# KiCad board MB1075.kicad_pcb (continued)
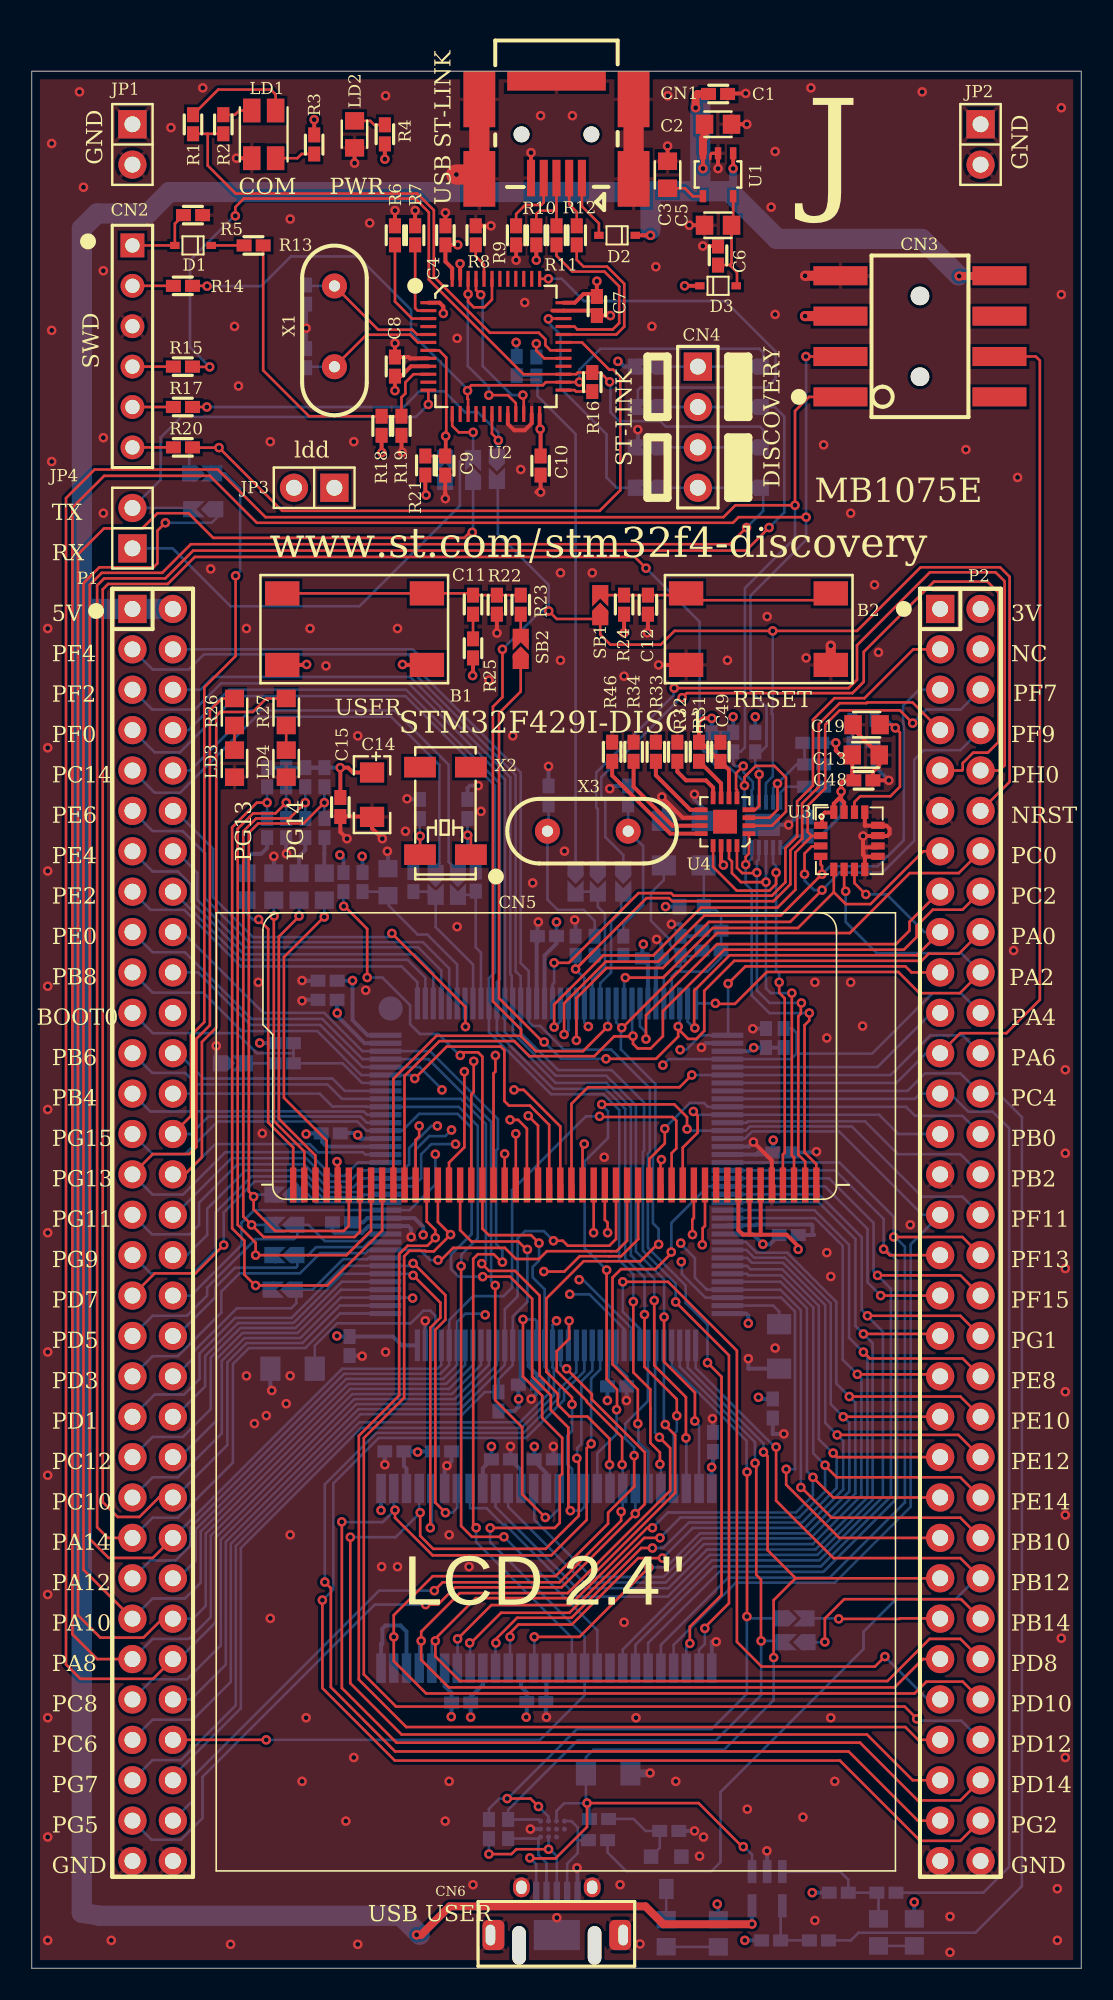
[diagram p0: board, top side]
## Nets (continued)
NetC28_2: C28.2 R52.1 U5.6
NetC41_1: C41.1 U5.71
NetC42_1: C42.1 U5.106
NetC54_1: C54.1 R75.2
NetCN1_2: CN1.2 R12.1
NetCN1_3: CN1.3 R10.1 R11.1
NetCN1_4: CN1.4 R9.1
NetCN2_1: CN2.1 D1.1 R5.1
NetCN2_2: CN2.2 R14.1
NetCN2_4: CN2.4 R15.1
NetCN2_5: CN2.5 R17.1
NetCN2_6: CN2.6 R20.1
NetCN4_1: CN4.1 SB3.1 SB4.2
NetCN4_2: CN4.2 SB5.1 SB6.2
NetCN4_3: CN4.3 SB7.1 SB8.2
NetCN4_4: CN4.4 SB13.1 SB14.2
NetCN5_45: CN5.45 R50.2
NetCN5_46: CN5.46 R49.2
NetCN5_47: CN5.47 R48.2
NetCN5_48: CN5.48 R47.2
NetCN6_2: CN6.2 R64.2 U7.D1
NetCN6_3: CN6.3 R63.2 U7.C1
NetCN6_4: CN6.4 R67.2 U7.A3
NetD1_2: D1.2 R13.1
NetLD1_2: LD1.2 R2.2
NetLD1_3: LD1.3 R1.2
NetLD1_4: LD1.4 R3.1
NetLD2_1: LD2.1 R4.1
NetLD3_1: LD3.1 R26.2
NetLD4_1: LD4.1 R27.2
NetLD5_1: LD5.1 R70.1
NetLD5_2: LD5.2 T1.3
NetLD6_1: LD6.1 R73.1
NetLD6_2: LD6.2 R68.1 R69.1 U8.3
NetP2_51: P2.51 SB26.2
NetP2_52: P2.52 SB27.1
NetR6_2: R6.2 U2.3
NetR7_2: R7.2 U2.2
NetR8_2: R8.2 U2.44
NetR23_1: R23.1 SB2.2
NetR28_1: R28.1 U2.29
NetR31_2: R31.2 U4.7
NetR32_1: R32.1 U4.8
NetR33_1: R33.1 U4.9
NetR34_1: R34.1 U4.11
NetR46_1: R46.1 U4.12
NetR61_1: R61.1 SB21.2
NetR65_1: R65.1 R66.1 T1.1
NetR71_1: R71.1 R72.2 U8.4
NetR74_2: R74.2 U9.12
NRST: CN5.39 P2.12 SB1.1 SB12.2 U5.25 U9.10
OSC_IN: C16.1 U2.5 X1.2
OSC_OUT: C17.1 U2.6 X1.1
PA0: P2.18 SB2.1 U5.34
PA1: P2.17 U3.7 U5.35
PA2: P2.20 U3.6 U5.36
PA4: CN5.34 P2.22 R60.1 U5.40
PA5: P2.21 U5.41
PA7: CN3.4 P2.23 U5.43
PA8: CN3.3 P1.53 R30.1 U4.4 U5.100 U9.9
PA9: P1.52 SB11.1 U5.101
PA10: P1.51 SB15.1 U5.102
PA11: CN5.15 P1.50 U5.103
PA12: CN5.14 P1.49 U5.104
PA13: P1.48 SB14.1 U5.105
PA14: P1.47 SB6.1 U5.109
PA15: P1.46 R45.1 U4.2 U5.110 U9.7
PB0: CN5.16 P2.28 U5.46
PB1: CN5.13 P2.27 U5.47
PB2: P2.30 U5.48
PB3: P1.28 SB9.2 U5.133
PB4: P1.25 U5.134
PB5: P1.26 U5.135 U6.37
PB6: P1.23 U5.136 U6.19
PB7: P1.24 U5.137
PB12: P2.50 R67.1 U5.73
PB13: C53.1 CN6.1 P2.49 R65.2 U5.74 U7.B3 U8.1
PB14: R64.1 SB27.2 U5.75 U7.D3
PB15: R63.1 SB26.1 U5.76 U7.C3
PC0: P2.14 U5.26 U6.16
PC1: P2.13 U3.5 U5.27
PC2: CN5.38 P2.16 U5.28
PC3: P2.15 U5.29
PC4: P2.26 R72.1 U5.44
PC5: P2.25 R69.2 U5.45
PC6: CN5.33 P1.57 R62.1 U5.96
PC8: P1.55 U5.98
PC9: CN3.1 P1.54 R29.1 U4.5 U5.99 U9.8
PC10: CN5.17 P1.45 U5.111
PC11: P1.44 U5.112
PC12: P1.43 U5.113
PC13: P1.12 U5.7
PC14: P1.9 SB16.1
PC14-OSC32_IN: R53.1 SB16.2 U5.8
PC15: P1.10 SB17.1
PC15-OSC32_OUT: R54.1 SB17.2 U5.9
PD2: P1.40 SB25.1 U5.116
PD4: P1.38 SB24.1 U5.118
PD5: P1.37 SB23.1 U5.119
PD7: P1.35 SB22.1 U5.123
PD11: CN5.11 P2.55 U5.80
PD12: CN5.35 P2.58 U5.81
PD13: CN5.36 P2.57 U5.82
PE0: P1.17 U5.141 U6.15
PE1: P1.18 U5.142 U6.39
PE2: P1.15 U5.1
PE3: P1.16 U5.2
PE4: P1.13 U5.3
PE5: P1.14 U5.4
PE6: P1.11 U5.5
PF6: P2.3 U5.18
PF7: CN5.37 P2.6 U3.2 U5.19
PF8: P2.5 U3.4 U5.20
PF9: CN5.30 P2.8 U3.3 U5.21
PF10: CN5.32 P2.7 R55.1 U5.22
PF11: P2.32 U5.49 U6.18
PG2: P2.62 U5.87
PG3: P2.61 U5.88
PG4: P1.62 U5.89 U6.20
PG5: P1.61 U5.90 U6.21
PG6: CN5.12 P1.60 U5.91
PG7: CN5.31 P1.59 R51.1 U5.92
PG8: P1.58 U5.93 U6.38
PG9: P1.33 U5.124
PG13: P1.29 R26.1 U5.128
PG14: P1.30 R27.1 U5.129
PG15: P1.27 U5.132 U6.17
PH0: P2.10 SB19.1
PH0-OSC_IN: R56.1 SB18.2 SB19.2 U5.23
PH1: P2.9 SB20.1
PH1-OSC_OUT: R57.1 SB20.2 U5.24
STLINK_RX: JP4.1 SB11.2 U2.13
STLINK_TX: JP4.2 SB15.2 U2.12
STM_JTCK: SB5.2 U2.37
STM_JTMS: SB13.2 U2.34
STM_RST: C9.2 R21.1 SB10.2 U2.7
SWIM: U2.22 U2.45
SWIM_IN: U2.21 U2.43 U2.46
SWIM_RST: U2.42
SWIM_RST_IN: U2.41
T_JTCK: R14.2 SB4.1 U2.15 U2.26
T_JTDI: U2.17
T_JTDO: U2.16
T_JTMS: R15.2 R16.2 SB8.1 U2.27
T_NRST: R17.2 SB12.1 U2.18
T_SWDIO_IN: R16.1 U2.25
T_SWO: R20.2 SB9.1 U2.31
U5V: CN1.1 D2.1
USB_DM: R12.2 U2.32
USB_DP: R11.2 U2.33
XL: CN5.2 U4.16 U9.4
XR: CN5.4 U4.13 U9.2
YD: CN5.1 U4.1 U9.5
YU: CN5.3 U4.15 U9.3

Pads without a net: CN3 2 6; CN5 9 10; P2 4; U2 4 11 14 19 28 38 39 40; U4 17; U5 145; U6 36 40; U7 A2 B1 B2 C2; X2 2 3

## Via types
v1: diameter 0.6, hole 0.3, TOP to Bottom, 500 vias

## Routing (per net, layer and track width the routed paths; a pad name or vN(x,y) marks a point on that pad's centre or on a via; arc(x,y) is an arc through that point)
3V: length 102.1
  TOP w0.25: 42.1,77.1 42.65,76.55 42.65,76.51 43.27,75.89 C49.2 43.85,75.35 U4.6 ; R21.2 24.75,92.64 v1(24.8,92.64) ; v1(19.2,50.72) 19.24,50.68 CN5.44 ; v1(41.06,105.8) D3.2 ; CN5.6 45.84,46.14 45.86,46.13 ; v1(19.4,75.5) 19.89,75.5 20.19,75.2 C14.1 ; 45.17,46.13 45.14,46.15 CN5.7 ; 45.17,46.13 45.86,46.13 ; 45.17,46.13 44.73,46.13 44.44,46.42 CN5.8 ; 45.86,46.13 47.48,46.13 48.2,45.41 v1(48.2,45.21) ; U2.48 26.44,106.9 26.02,107.33 C4.2 v1(26.79,108.38) ; 50.9,73.7 50.9,73.5 51.09,73.31 51.09,72.67 ; 50.9,73.7 50.44,73.24 50.44,72.67 49.88,72.67 49.7,72.5 49.7,71.94 49.61,71.85 ; 50.9,73.7 v1(50.9,74) 50.9,74.54 51.06,74.7 C48.2 51.6,74.8 C13.2 50.85,76.3 50.57,76.59 v1(50.57,77.06) ; 31.94,96.74 31.97,96.74 v1(31.97,96.79) ; 31.94,96.74 U2.24 ; 31.94,96.74 32,96.68 C10.2 ; U2.36 34.15,104.74 34.7,105.29 35.54,105.29 ; U2.9 23.85,100.74 23.23,100.12 C8.2 v1(22.84,99.21) ; U2.1 25.65,104.74 25.88,104.5 v1(25.88,104.06) ; R18.1 22,95.31 v1(22.02,95.31) ; R31.1 41.97,78.37 42.2,78.6 v1(42.77,78.6) ; R3.2 17.76,116.25 v1(17.76,116.25) ; 35.54,105.29 35.54,106.09 v1(35.54,106.09) ; 35.54,105.29 C7.2 ; v1(22.2,113.77) R4.2 ; U4.14 43.35,69.52 v1(43.5,69.37) ; C15.2 19.41,75.49 ; 19.35,48.43 19.35,49.26 ; R10.2 31.73,107.42 v1(31.73,107.42)
  TOP w0.635: v1(48.63,103.89) CN3.5
  Bottom w0.21: v1(50.9,74) 50.9,72.48 49.61,71.2 C55.1 48.02,71.2 47.3,70.47 U9.1
  Bottom w0.25: R39.1 v1(50.57,77.06) ; v1(26.38,15.82) 26.4,15.82 C51.2 26.4,17.31 25.97,17.74 U6.49 ; R73.2 55.5,4.16 v1(55.5,4.16) ; U6.3 23.57,31.41 23.4,31.58 C46.2 24.27,32.5 ; 42.77,31.51 42.8,31.55 42.84,31.55 C50.2 ; 42.77,31.51 U6.27 ; 42.77,31.51 v1(42.76,31.51) ; v1(28.91,32.81) 28.91,32.92 28.91,31.98 28.36,31.44 U6.9 ; v1(36.86,101.05) 36.93,101.05 37.26,100.72 38.11,100.72 ; R70.2 43.17,4.03 v1(43.11,4.03) ; 24.27,32.5 C47.2 ; 24.27,32.5 v1(24.27,32.46) ; U6.1 21.97,28.79 v1(21.96,28.79) ; v1(44.11,78.7) R29.2 R45.2 42.76,78.59 v1(42.77,78.6) ; v1(49.09,4.75) R68.2 ; R30.2 v1(45.5,78.7) ; v1(44.84,1.75) R71.2 ; R37.2 R38.2 ; R38.2 v1(19.4,75.5) ; R38.2 R35.2 ; U6.14 32.36,31.13 31.61,31.89 31.61,32.92 v1(31.61,32.81) ; U6.43 30.77,17.71 31.13,17.34 C52.2 31.13,15.79 v1(31.1,15.79)
5V: length 237.5
  TOP w0.25: v1(44.11,113.18) U1.1 ; v1(42.21,113.18) U1.3 ; D2.2 v1(38.91,108.97)
  TOP w0.5: CN3.8 60.86,106.41 v1(58.32,106.41) ; C2.2 42.31,115.17 42.21,115.07 U1.3 ; v1(45.29,2.78) 45.28,2.76 39.72,2.76 38.6,3.89 26.28,3.89 24.49,2.1 v1(24.2,2.1) ; v1(41.75,117) 41.75,117.75 41.86,117.87 C1.2
  Bottom w0.25: v1(45.29,2.78) 45.29,2.78 45.29,3.93 U8.5
  Bottom w0.5: 58.28,106.45 v1(58.32,106.41) ; 44.11,111.55 v1(44.11,113.18)
  Bottom w1.27: 44.11,111.55 46.91,108.75 ; 46.91,108.75 55.98,108.75 58.28,106.45 ; 46.91,108.75 46.85,108.75 43.85,111.75 42.1,111.75 ; P1.2 P1.1 3.15,85.48 ; 3.15,85.48 3.15,109.4 4.1,110.35 7.3,110.35 8.65,111.7 38.91,111.7 ; 3.15,85.48 3.14,85.48 3.14,3.49 4.26,3.3 23.2,3.3 24.4,2.1 ; 38.91,109.31 38.91,111.7 ; 38.91,111.7 38.91,111.75 42.1,111.75 ; 42.1,111.75 42.04,111.81 42.04,117.11
GND: length 196.3
  TOP w0.15: 42.67,113.76 42.67,113.92 42.69,113.94 42.69,114.07 42.75,114.13
  TOP w0.21: 42.75,114.13 U1.2
  TOP w0.25: 52.28,70.1 52.28,70.02 52.39,69.91 52.39,69.9 ; 52.28,70.1 52.3,70.1 52.3,70.49 53.15,70.49 53.22,70.55 ; 52.28,70.1 v1(52.28,71.2) 53.8,71.2 53.95,71.35 53.95,71.65 53.75,71.85 52.39,71.85 52.39,72.67 ; C4.1 v1(26.02,110.4) ; v1(41.35,109.61) C5.2 ; v1(22.84,102.19) C8.1 23.7,101.32 23.78,101.24 U2.8 ; v1(29.25,83.96) 29.25,83.96 R22.1 ; R7.1 24.11,110.53 v1(24.11,110.53) ; U4.10 40.94,72.35 v1(39.63,73.66) ; U2.20 29.94,97.12 30.34,96.72 31,96.72 31.44,97.15 U2.23 ; v1(12.88,113.82) LD1.1 ; 43.83,117.9 v1(44.9,117.9) ; v1(22.84,110.53) 22.84,110.53 R6.1 ; v1(26.94,107.19) 26.94,107.19 U2.47 ; R9.2 30.46,107.42 v1(30.46,107.42) ; v1(42.2,108.31) C6.1 ; R19.1 23.25,95.33 v1(23.3,95.33) ; C3.1 v1(39.98,114.59) ; C12.1 38.75,83.98 v1(38.72,83.98) ; 52.39,69.9 53.22,69.9 ; 52.39,69.9 52.39,69.08 52.39,69.08 ; B2.2 39.42,81.96 v1(39.42,81.96) ; v1(36.39,103.93) C7.1 35.23,104.24 U2.35 32.74,104.24 ; C10.1 32,92.93 31.85,92.93 31.74,92.82 v1(32,92.82) ; v1(53.9,74.7) C48.1 52.9,75.24 53.3,75.64 C13.1 51.65,77.95 C19.1 ; C9.1 26,92.74 26.02,92.73 26.02,92.42 v1(26.01,92.42) ; v1(45.38,51.95) 46.54,50.8 CN5.5 ; v1(22.05,71.03) 21.4,71.68 C14.2 21.38,72.42 C15.1 19.41,71.45 v1(19.82,71.03) ; v1(20.3,113.52) 20.3,113.52 LD2.2 ; CN1.5 v1(31.4,114.18) ; R8.1 v1(28.88,109.57) ; C2.1 v1(44.97,115.96) ; v1(43.16,113.18) U1.2 ; 46.65,48.43 46.65,49.26
  TOP w0.635: v1(50.25,83.17) 50.25,83.17 B2.3 ; v1(48.63,106.44) CN3.7
  TOP w1.27: CN1.6 28.15,112.8 ; 28.15,112.8 v1(26.7,112.8) ; 28.15,112.8 CN1.6 ; CN1.6 CN1.6
  Bottom w0.25: 12.18,56.91 11.6,56.91 v1(11.6,58) ; U6.41 32.36,16.74 C52.1 32.33,15.79 v1(32.36,15.79) ; v1(31.36,8.75) U7.D2 ; U5.130 18.55,51.67 18.27,51.95 18.27,52.5 C36.1 17.25,52.5 v1(17.25,52.46) ; v1(15.09,36.33) 15,36.33 C42.2 ; v1(42.81,34.56) 42.84,34.56 C50.1 ; U5.51 45.1,51.67 v1(45.38,51.95) ; U5.83 36.75,37.85 37.41,37.19 C44.1 37.41,35.7 v1(37.4,35.7) ; C47.1 26.4,31.89 v1(26.11,31.6) 26.02,31.5 25.97,31.5 U6.6 ; C24.2 27.4,74.21 27.56,74.37 v1(28.08,74.37) ; 26,93.75 26,92.42 v1(26.01,92.42) ; C41.2 45.07,37.7 v1(45.07,38.33) ; v1(39.3,64.7) 39.6,64.4 39.6,63.25 39.25,62.9 U5.31 ; C37.1 49.35,51.3 v1(49.35,51.35) ; C31.1 42.04,65.25 41.69,64.9 C30.2 40.8,65.65 v1(40.23,65.65) ; C45.1 46.6,33.6 v1(47.3,33.6) ; R50.1 18.39,70.08 18.4,70.08 R44.1 ; 32.81,31.98 v1(32.81,32.81) ; C40.1 20.78,38.53 v1(20.78,38.49) ; CN6.10 v1(33.02,3.17) ; v1(24.75,40.71) 24.75,40.71 U5.107 ; U5.94 31.25,37.86 31.76,37.35 31.76,36.74 ; C21.2 36.52,74.35 v1(36.35,74.17) ; v1(22.36,70.24) 22.4,70.24 C28.1 ; v1(41.68,73.82) 41.68,73.5 42.25,72.92 C26.2 ; C23.2 23.6,73.5 v1(23.6,73.54) ; v1(34.29,6.31) 34.32,6.28 CN6.5 ; R48.1 v1(15.22,69.92) ; v1(45.34,59.08) 45.34,59.09 C35.1 ; 31.76,36.74 C43.1 ; 31.76,36.74 31.76,36.74 31.73,36.72 31.73,36.11 v1(31.41,35.79) ; C33.1 17,62.1 v1(17,62.11) ; C16.2 v1(17.25,103.14) C17.2 ; v1(17,60.84) 17,60.9 C34.1 ; v1(16.01,70.08) 16,70.08 R42.1 ; R47.1 13.47,69.76 13.79,70.08 14.43,70.08 14.8,70.45 R41.1 ; U5.16 31.75,64.46 31.8,64.51 C29.1 31.8,65.8 v1(31.86,65.8) ; 34.3,4.75 34.3,4.76 ; C20.2 v1(32.5,75.58) ; C39.1 49.19,46.11 49.1,46.2 49.1,46.71 49.04,46.77 45.55,46.77 45.51,46.72 43.8,46.72 U5.61 ; R75.1 52.9,75.7 v1(53.9,74.7) ; C38.1 18.91,46.39 19.05,46.25 20.75,46.25 21.18,46.67 U5.120 23.68,46.67 23.86,46.49 v1(23.86,45.98) ; C18.1 30.5,102.19 30.46,102.23 30.46,102.24 v1(30.46,102.24) ; v1(27.6,15.79) 27.6,15.79 C51.1 27.6,17.06 28.36,17.82 U6.46 ; R55.2 34.2,65.92 v1(34.14,65.92) ; C55.2 48.1,72.4 v1(47.6,71.9) 45.04,71.9 44.83,71.68 U9.6 ; v1(46.23,7.38) 46.25,7.38 U8.2 ; R66.2 v1(41.68,8.63) ; R49.1 16.81,69.92 17.2,70.31 R43.1 ; U6.54 21.97,20.39 22.05,20.39 22.05,21.35 22.25,21.55 23.18,21.55 23.57,21.17 U6.52 ; U6.28 42.77,20.53 v1(43.04,20.53) ; v1(30.11,32.81) 30.11,31.98 30.77,31.32 U6.12 ; 38.11,95.64 v1(38.11,96.76) ; U5.38 42.38,58.17 v1(42.11,57.9) ; v1(22.2,31.66) 22.2,31.66 C46.1 ; C25.2 39.75,73.35
  Bottom w0.5: C53.2 38.89,12.25 v1(38.89,12.28)
  vias: v1(1,84.25) v1(1,76.75) v1(1,69) v1(1,61.75) v1(1,54) v1(1,46.25) v1(1,38.75) v1(1,31) v1(1,23.5) v1(1,15.75) v1(1,8.25) v1(1,1.75) v1(1.25,114.75) v1(1.25,103) v1(1.25,94.75) v1(3,118) v1(3.25,112) v1(4.5,106.75) v1(4.5,96.25) v1(4.5,91.5) v1(5,1.75) v1(8.75,115.75) v1(10.75,118.25) v1(11.25,88) v1(12.5,1.5) v1(12.75,103.25) v1(13,99.5) v1(13.5,84.25) v1(13.5,37.25) v1(14,34.25) v1(14.25,62) v1(14.5,52.5) v1(14.75,34.75) v1(15,96) v1(15,22) v1(16,35.5) v1(16.25,110) v1(16.25,37.25) v1(16.25,27.25) v1(17,11.75) v1(17.25,15.75) v1(17.5,84.25) v1(18.5,81.9) v1(19.75,9.25) v1(20.25,96) v1(20.25,13.25) v1(20.5,77.5) v1(20.5,1.5) v1(21,61.5) v1(21.25,109.75) v1(22,25.25) v1(22.25,117.75) v1(22.25,38.75) v1(23,84.25) v1(23,25.25) v1(23.5,71.5) v1(26,9.25) v1(26.25,27.25) v1(26.25,11.75) v1(26.75,102.5) v1(26.75,65.5) v1(27.5,25.25) v1(27.75,5.25) v1(28.25,72.75) v1(28.75,81) v1(30.25,77.5) v1(30.75,94.25) v1(31,104.75) v1(31.5,68.25) v1(32,116.5) v1(33.25,87.75) v1(33.25,82.25) v1(33.5,70.25) v1(34,116.5) v1(35.25,87.75) v1(36,51) v1(37,5.25) v1(37.25,81.25) v1(37.25,21.75) v1(38,15.75) v1(38.25,1.52) v1(39,103.25) v1(39.25,107) v1(40,117.75) v1(40.5,11.75) v1(42,7.05) v1(42.25,8.25) v1(43.75,82.25) v1(45,10) v1(46.25,85) v1(46.5,110.75) v1(46.75,114.25) v1(46.75,104) v1(46.75,39) v1(48.5,9.5) v1(48.7,82.4) v1(49,118.25) v1(49.25,62) v1(49.25,3) v1(49.8,95.8) v1(50,58.5) v1(50,45) v1(50.25,43.5) v1(50.25,15.75) v1(50.5,11.75) v1(51.5,91.5) v1(51.5,62) v1(52.25,59.25) v1(53,87) v1(53.25,82.75) v1(55.25,46.75) v1(56,118) v1(57.75,3.25) v1(57.75,1) v1(58.75,95.5) v1(61.75,64) v1(62,93.75) v1(64.5,5) v1(64.5,1.75) v1(64.75,117) v1(64.75,105.25) v1(64.75,20.75) v1(65,56.5) v1(65,51.25) v1(65,44) v1(65,36.25) v1(65,28.5) v1(65,13.25)
VDD: length 67.7
  TOP w0.25: R24.2 37.25,83.97 v1(37.25,83.97) ; R25.2 27.75,81.29 v1(27.72,81.29) ; B1.4 17.28,81.96 v1(17.28,81.99) ; B1.1 23.32,81.96 v1(23.32,81.99)
  Bottom w0.25: 19.2,60.07 v1(19.21,60.07) ; 19.2,60.07 C34.2 ; 19.2,60.07 19.2,60.07 19.2,59.9 20.93,58.17 U5.143 ; v1(14.34,58.18) 14.34,58.17 R59.1 ; U5.72 44.92,41.17 45.07,41.03 v1(45.07,40.55) ; U5.30 38.75,63.16 38.41,63.5 C32.2 38.4,64.4 v1(38.46,64.4) ; v1(20.78,69.92) 20.8,69.92 R52.2 ; U5.62 45.34,46.17 v1(45.98,45.53) 45.98,45.52 46.41,45.52 C39.2 ; v1(24.62,46.12) 24.62,46.62 24.07,47.17 U5.121 21.11,47.17 20.84,46.9 C38.2 ; 20.17,62.1 20.17,59.62 21.12,58.67 U5.144 ; 20.17,62.1 C33.2 ; 20.17,62.1 v1(20.17,62.11) ; 45.54,51.17 46.63,51.17 v1(46.63,52.07) ; 45.54,51.17 U5.52 ; 45.54,51.17 45.67,51.3 C37.2 ; v1(19.19,39.76) 19.19,39.72 C40.2 22.72,39.72 23.27,39.17 U5.108 ; 20.8,52.17 U5.131 ; 20.8,52.17 20.65,52.17 20.3,52.52 19.42,52.52 C36.2 ; 20.8,52.17 20.73,52.17 v1(20.5,52.4) ; U5.17 32.25,63.69 33,64.44 C29.2 v1(33,65.8) ; U5.39 45.14,57.67 45.37,57.89 v1(45.4,57.89) C35.2 R60.2 ; L1.1 39.84,66.75 39.82,66.76 v1(39.86,66.76) ; v1(19.38,70.01) 19.6,69.78 R51.2 ; v1(36.2,35.7) 36.21,35.7 C44.2 36.25,36.59 U5.84 ; C45.2 45.7,35.8 v1(45.7,35.9) ; U5.95 30.75,36.85 C43.2 30.6,35.79 v1(30.62,35.79) 30.62,35.31 30.34,35.03 R62.2
A0: length 78
  TOP w0.165: v1(39.5,31.7) 39.5,32.43 38.91,33.03 38.91,35.2 38.9,35.21 38.9,36.4 37.83,37.47 v1(37.83,41.91)
  Bottom w0.165: v1(37.83,41.91) 37.83,43.63 36.94,44.52 36.94,53.98 35.96,54.96 32.66,54.96 28.75,58.87 U5.10 28.75,62.25 29.13,62.62 29.13,74.37 23.49,80 12.85,80 9.31,76.46 7.73,76.46 P1.7 ; U6.23 39.57,31.7 v1(39.5,31.7)
A1: length 75.2
  TOP w0.165: v1(38.53,41.1) 38.53,37.82 40.56,35.79 v1(40.56,34.74)
  Bottom w0.165: v1(38.53,41.1) 38.53,43.43 37.32,44.65 37.32,54.04 36.07,55.3 32.8,55.3 29.25,58.85 U5.11 29.25,62.02 29.45,62.22 29.45,74.49 23.54,80.4 12.4,80.4 9.86,77.86 P1.8 ; U6.24 40.36,33.58 40.56,33.77 v1(40.56,34.74)
A2: length 78.3
  TOP w0.165: v1(41.14,33.35) 41.14,35.91 39.15,37.9 39.15,40.1 39.15,40.1 v1(39.15,41.99)
  Bottom w0.165: P1.5 7.58,79.15 10.25,79.15 11.9,80.8 23.71,80.8 29.77,74.74 29.77,60.67 U5.12 29.75,58.87 32.95,55.67 36.14,55.67 37.68,54.14 37.68,44.83 39.15,43.36 v1(39.15,41.99) ; v1(41.14,33.35) 41.17,33.35 U6.25
A3: length 75.7
  TOP w0.165: v1(39.76,40.95) 39.76,38.14 41.71,36.19 41.71,34.42 v1(41.7,34.41)
  Bottom w0.165: U6.26 41.97,34.14 v1(41.7,34.41) ; P1.6 10.6,80.4 11.41,81.21 23.79,81.21 25.7,79.3 25.7,79.28 30.1,74.89 30.1,62.51 30.18,62.42 30.18,60.67 U5.13 30.25,58.83 32.95,56.12 36.13,56.12 37.99,54.27 37.99,45.08 39.76,43.31 v1(39.76,40.95)
A4: length 93.2
  TOP w0.165: v1(40.49,41.9) 43.85,38.54 43.85,22.95 42.33,21.43 v1(42.33,21.37)
  Bottom w0.165: v1(40.49,41.9) 40.49,43.06 38.44,45.12 38.44,51.33 38.51,51.4 38.51,54.44 36.47,56.48 33.09,56.48 30.75,58.82 U5.14 30.75,62.37 30.43,62.69 30.43,75.03 24.3,81.16 24.3,82 23.68,82.62 10.82,82.62 9.87,81.67 7.6,81.67 P1.3 ; v1(42.33,21.37) 42.33,20.39 41.97,20.02 U6.29
A5: length 90.2
  TOP w0.165: v1(41.39,20.42) 41.39,21.47 43.38,23.47 43.38,37.19 v1(42.5,38.07)
  Bottom w0.165: v1(42.5,38.07) 42.5,40.47 41.12,41.84 41.12,42.93 38.75,45.3 38.75,51.2 38.87,51.32 38.87,55.34 36.44,57.77 33.46,57.77 31.97,59.25 31.51,59.25 31.25,59.52 U5.15 31.25,62.7 30.75,63.21 30.75,75.19 24.7,81.24 24.7,82.2 23.96,82.94 P1.4 ; v1(41.39,20.42) 41.17,20.2 U6.30
A6: length 54.8
  Bottom w0.165: U6.31 40.36,20.33 44.28,24.25 50.51,24.25 55.28,29.02 55.28,45.53 P2.31 56.01,47.38 50.77,52.62 45.3,52.62 44.85,52.17 U5.50
A7: length 56.7
  TOP w0.165: P2.34 58.53,45.98 v1(54.21,45.98)
  Bottom w0.165: 54.21,46.07 54.21,47.25 50.79,50.67 U5.53 ; 54.21,46.07 v1(54.21,45.98) ; 54.21,46.07 54.91,45.37 54.91,29.29 50.19,24.56 43.8,24.56 39.57,20.33 U6.32
A8: length 53.8
  TOP w0.165: P2.33 53.95,44.84 v1(53.57,45.22)
  Bottom w0.165: U5.54 43.75,50.17 50.53,50.17 53.57,47.13 v1(53.57,45.22) 53.7,45.22 54.43,44.49 54.43,29.57 49.79,24.93 43.24,24.93 38.77,20.46 U6.33
A9: length 56.4
  TOP w0.165: v1(53.19,43.57) 58.4,43.57 P2.36
  Bottom w0.165: U5.55 50.14,49.67 52.94,46.87 52.94,43.82 v1(53.19,43.57) 54.03,42.73 54.03,29.66 49.63,25.27 42.9,25.27 37.97,20.33 U6.34
A10: length 43.2
  TOP w0.165: v1(40.22,45.03) 40.3,45.03 39.22,43.96 37.06,43.96 36.52,43.43 36.52,37.98 38.11,36.39 v1(38.11,34.25) ; v1(53.39,42.3) P2.35
  Bottom w0.165: v1(38.11,34.25) 38.15,34.25 38.15,33.09 38.77,32.48 U6.22 ; v1(53.39,42.3) 52.56,43.13 52.56,46.49 49.88,49.17 U5.56 42.53,49.17 40.22,46.86 v1(40.22,45.03)
A11: length 55.6
  TOP w0.165: P2.38 58.4,41.03 v1(52.56,41.03)
  Bottom w0.165: U6.35 37.17,20.04 42.78,25.65 49.53,25.65 53.53,29.65 53.53,40.02 52.56,41 v1(52.56,41.03) 52.2,41.39 52.2,45.96 49.49,48.67 U5.57
ADR_A0: length 8.6
  TOP w0.165: v1(46.9,74.5) 46.9,72.85 46.4,72.35 U4.3
  Bottom w0.165: U9.11 46.62,74.22 v1(46.9,74.5) 48.1,75.7 R40.2 48.6,76.95 R39.2
AIN_1: length 21.6
  TOP w0.165: U2.10 24.01,100.24 23.49,99.73 23.49,99.03 23.25,98.78 R19.2 R18.2 17.43,97.6 14.55,100.48 R13.2
B2: length 29.3
  TOP w0.165: 29.85,48.43 29.85,49.26 ; CN5.29 v1(29.74,51.21)
  L3 w0.165: v1(25.38,51.19) 25.4,51.21 v1(29.74,51.21)
  Bottom w0.165: P1.36 10.01,42.3 13.19,45.47 13.19,46.87 13.99,47.67 U5.122 23.77,47.67 25.38,49.28 25.38,51.19 v1(25.38,51.19)
B3: length 34.4
  TOP w0.165: CN5.28 v1(30.44,52.48) ; 30.55,48.43 30.55,49.26
  L3 w0.165: v1(26.4,52.71) 29.43,52.71 29.67,52.48 v1(30.44,52.48)
  Bottom w0.165: v1(26.4,52.71) 26.02,52.33 25,52.33 24.11,51.44 24.11,49.92 23.86,49.67 U5.126 20.78,49.67 20.22,49.12 18.56,49.12 17.13,50.55 12.93,50.55 10.52,48.14 10.52,46.75 9.93,46.15 7.56,46.15 P1.31
B4: length 31.2
  TOP w0.165: CN5.27 31.14,52.8 30.59,53.35 v1(30.08,53.35) ; 31.25,48.43 31.25,49.26
  L3 w0.165: v1(30.08,53.35) 25.89,53.35 v1(25.51,52.97)
  Bottom w0.165: P1.32 9,47.38 12.55,50.94 17.25,50.94 18.73,49.46 19.98,49.46 20.69,50.17 U5.127 23.35,50.17 23.73,50.55 23.73,51.57 25.13,52.97 v1(25.51,52.97)
B5: length 38
  TOP w0.165: v1(31.22,53.6) 31.84,52.99 CN5.26 ; v1(43.8,61.92) 44.88,63 54.95,63 55.33,62.62 P2.19 ; 31.95,48.43 31.95,49.26
  L3 w0.165: v1(31.22,53.6) 32.98,55.36 39.62,55.36 40.77,56.52 v1(40.77,57.76)
  Bottom w0.165: v1(43.8,61.92) 43.8,58.72 U5.37 42.07,58.67 41.16,57.76 v1(40.77,57.76)
B6: length 38.3
  TOP w0.165: v1(24.08,55.95) 26.09,57.96 29.49,57.96 29.72,57.73 29.72,54.53 30.01,54.25 31.33,54.25 32.54,53.04 CN5.25 ; 32.65,48.43 32.65,49.26
  Bottom w0.165: v1(24.08,55.95) 24.05,55.95 23.83,56.17 U5.139 20.72,56.17 17.95,58.94 13.2,58.94 10.78,61.35 7.6,61.35 P1.19
B7: length 32.9
  TOP w0.165: CN5.24 33.24,52.94 30.94,55.24 v1(30.33,55.24) ; 33.35,48.43 33.35,49.26
  L3 w0.165: v1(25.8,55.24) v1(30.33,55.24)
  Bottom w0.165: P1.20 10.46,62.62 13.76,59.32 18.14,59.32 20.79,56.67 U5.140 24.39,56.67 25.8,55.27 v1(25.8,55.24)
BOOT0: length 18.8
  Bottom w0.165: 16.45,57.54 R61.2 19.54,56.91 20.77,55.67 U5.138 ; 16.45,57.54 R59.2 ; 16.45,57.54 14.15,57.54 12.89,58.8 7.61,58.8 P1.21
D0: length 84.9
  TOP w0.165: P2.60 58.4,10.55 55.72,10.55 52.09,14.18 22.94,14.18 19.5,17.62 19.5,28.07 v1(19.49,28.07) ; v1(22.84,28.81) 22.84,28.33 25.21,25.96 32.67,25.96 34.9,28.19 34.9,32.7 v1(35.18,32.98)
  Bottom w0.165: 22.77,28.81 v1(22.84,28.81) ; 22.77,28.81 22.77,28.74 22.08,28.05 19.49,28.05 v1(19.49,28.07) ; 22.77,28.81 U6.2 ; v1(35.18,32.98) 35.18,37.08 35.75,37.65 U5.85
D1: length 79.5
  TOP w0.165: v1(20.03,27.1) 19.88,27.1 20.03,26.96 20.03,17.92 23.26,14.7 52.53,14.7 55.4,11.82 P2.59 ; v1(24.43,28.65) 24.43,27.19 25.24,26.37 32.32,26.37 34.4,28.46 34.4,31.91 34.28,32.04 v1(34.28,32.07)
  Bottom w0.165: v1(20.03,27.1) 22.88,27.1 v1(24.43,28.65) 24.36,28.65 U6.4 ; U5.86 35.25,37.6 34.56,36.91 34.56,32.97 34.3,32.71 34.3,32.07 v1(34.28,32.07)
D2: length 39.5
  TOP w0.165: v1(25.06,27.69) 25.06,40.28 25.7,40.91 25.7,41.86 v1(23.98,43.57)
  Bottom w0.165: U6.5 25.17,27.69 v1(25.06,27.69) ; P1.42 9,34.68 10.9,36.58 10.9,38.5 12.98,40.58 16.46,40.58 19.55,43.67 U5.114 23.98,43.67 v1(23.98,43.57)
D3: length 41.7
  TOP w0.165: v1(23.98,44.32) 24.01,44.32 26.01,42.32 26.01,40.78 25.38,40.15 25.38,29.28 v1(26.02,28.65)
  Bottom w0.165: v1(26.02,28.65) 26.45,28.65 26.77,28.97 U6.7 ; v1(23.98,44.32) 23.83,44.17 U5.115 19.61,44.17 16.33,40.89 12.79,40.89 10.55,38.65 10.55,37.05 9.58,36.08 7.73,36.08 P1.41
D4: length 62.1
  TOP w0.165: v1(52.3,39.89) 57,39.89 P2.37
  Bottom w0.165: U6.8 27.57,28.93 28.6,28.93 29.64,27.89 29.78,27.89 34.3,23.37 40,23.37 42.62,25.99 49.41,25.99 52.88,29.45 52.88,39.31 v1(52.3,39.89) 51.8,40.39 51.8,45.85 49.48,48.17 U5.58
D5: length 62
  TOP w0.165: v1(52.3,38.74) 52.71,38.34 58.55,38.34 P2.40
  Bottom w0.165: U6.10 29.17,29.01 34.28,23.9 40.03,23.9 42.47,26.33 49.29,26.33 52.56,29.6 52.56,38.49 v1(52.3,38.74) 51.4,39.65 51.4,45.49 49.22,47.67 U5.59
D6: length 57.1
  TOP w0.165: v1(51.92,37.35) 57.13,37.35 P2.39
  Bottom w0.165: U5.60 49.25,47.17 51,45.42 51,38.27 v1(51.92,37.35) 52.18,37.09 52.18,29.73 49.12,26.67 42.28,26.67 39.86,24.25 34.72,24.25 29.97,29.01 U6.11
D7: length 55.6
  TOP w0.165: P2.42 58.4,35.95 v1(51.42,35.95)
  Bottom w0.165: U6.13 31.6,30.17 31.6,28.2 35.2,24.6 39.74,24.6 42.17,27.03 48.97,27.03 51.8,29.85 51.8,35.57 v1(51.42,35.95) 50.6,36.77 50.6,41.9 47.5,45 45.58,45 44.91,45.67 U5.63
D8: length 51.9
  TOP w0.165: v1(51.03,34.68) P2.41 ; v1(31.6,20.84) 34.44,20.84 v1(38.81,25.21)
  Bottom w0.165: U6.42 31.6,18.87 v1(31.6,20.84) ; v1(38.81,25.21) 39.89,25.21 42.03,27.35 48.78,27.35 51.42,29.98 51.42,34.3 v1(51.03,34.68) 50.25,35.46 50.25,41.8 47.37,44.68 45.44,44.68 44.95,45.17 U5.64
D9: length 56
  TOP w0.165: v1(30.08,20.84) 30.08,21.09 30.6,21.61 33.96,21.61 38.14,25.79 v1(39.67,25.79) ; P2.44 58.27,33.54 v1(50.65,33.54)
  Bottom w0.165: v1(30.08,20.84) 30.08,18.98 U6.44 ; U5.65 44.98,44.67 45.29,44.36 47.24,44.36 49.9,41.7 49.9,34.29 v1(50.65,33.54) 51.03,33.16 51.03,30.11 48.61,27.69 41.57,27.69 v1(39.67,25.79)
D10: length 52.8
  TOP w0.165: v1(39.03,26.43) 38.33,26.43 33.94,22.04 30.53,22.04 29.19,20.7 v1(29.19,20.46) ; P2.43 50.65,32.14 v1(50.4,32.39)
  Bottom w0.165: v1(29.19,20.46) 29.17,20.43 U6.45 ; U5.66 44.98,44.17 45.2,43.95 47.2,43.95 49.5,41.65 49.5,33.26 50.37,32.39 v1(50.4,32.39) 50.62,32.17 50.62,30.2 48.45,28.03 41.32,28.03 39.72,26.43 v1(39.03,26.43)
D11: length 56.7
  TOP w0.165: v1(27.54,20.46) 27.62,20.46 29.52,22.35 33.81,22.35 38.52,27.06 v1(39.51,27.06) ; P2.46 58.4,30.87 50.62,30.87 49.89,31.6 v1(49.89,31.63)
  Bottom w0.165: v1(39.51,27.06) 40.79,28.34 48.25,28.34 49.89,29.98 v1(49.89,31.63) 49.15,32.37 49.15,41.55 47.13,43.57 45.07,43.57 44.96,43.67 U5.67 ; v1(27.54,20.46) 27.57,20.46 U6.47
D12: length 54.1
  TOP w0.165: P2.45 50.4,29.6 v1(49.13,30.87) ; v1(39.03,27.69) 38.71,27.69 33.85,22.84 28.9,22.84 26.81,20.74 26.81,20.71 v1(26.78,20.71)
  Bottom w0.165: v1(26.78,20.71) 26.78,18.88 U6.48 ; U5.68 47.08,43.17 48.75,41.5 48.75,31.25 v1(49.13,30.87) 49.13,29.73 48.06,28.66 40,28.66 v1(39.03,27.69)
D13: length 68
  TOP w0.165: v1(39.84,34.19) 39.8,34.19 40.46,33.52 40.46,29.9 33.84,23.27 27.92,23.27 25.38,20.73 v1(25.38,20.58) 25.38,19.61 26.93,18.06 53.82,18.06 56.47,20.71 58.4,20.71 P2.54
  Bottom w0.165: U5.77 39.75,34.19 v1(39.84,34.19) ; v1(25.38,20.58) 25.17,20.37 U6.50
D14: length 66.5
  TOP w0.165: P2.53 56.04,19.44 54.26,17.66 26.23,17.66 24.49,19.39 v1(24.49,20.58) 24.49,21.16 26.91,23.59 33.71,23.59 40.15,30.03 40.15,32.71 v1(39.47,33.39)
  Bottom w0.165: v1(24.49,20.58) 24.36,20.46 U6.51 ; U5.78 39.25,37.75 39.2,37.7 39.2,33.68 39.47,33.4 v1(39.47,33.39)
D15: length 72
  TOP w0.165: P2.56 58.55,18.02 56.27,18.02 55.52,17.28 24.8,17.28 22.77,19.31 v1(22.77,20.84) 22.77,22.2 25.22,24.65 32.94,24.65 36.25,27.96 36.25,28.65 37.89,30.29 v1(37.89,32.24)
  Bottom w0.165: U5.79 38.75,37.76 38.75,37.76 38.75,35.66 37.33,34.24 37.33,33.3 37.89,32.74 v1(37.89,32.24) ; U6.53 v1(22.77,20.84)
G2: length 33.9
  TOP w0.165: CN5.23 33.94,54.36 34.98,55.4 40.74,55.4 v1(41.51,56.17) ; 34.05,48.43 34.05,49.26
  Bottom w0.165: P2.24 58.55,58.66 56.51,58.66 54.02,56.17 v1(41.51,56.17)
G3: length 35.2
  TOP w0.165: CN5.22 34.64,51.73 v1(34.74,51.84) ; 34.75,48.43 34.75,49.26
  L3 w0.165: v1(26.65,51.83) 31.48,51.83 34.74,51.83 v1(34.74,51.84)
  Bottom w0.165: v1(26.65,51.83) 25.13,51.83 24.49,51.19 24.49,49.68 23.98,49.17 U5.125 20.88,49.17 20.51,48.8 18.37,48.8 17,50.17 13.44,50.17 11.03,47.76 11.03,46.11 9.76,44.84 P1.34
G4: length 43
  TOP w0.165: P2.48 58.4,28.33 50.3,28.33 48.4,30.23 v1(48.37,30.23) ; CN5.21 35.34,46.26 v1(35.33,46.25)
  L3 w0.165: v1(40.81,45.6) 39.62,46.79 35.86,46.79 v1(35.33,46.25)
  Bottom w0.165: v1(48.37,30.23) 48.37,41.38 47.08,42.67 42.46,42.67 41.7,43.42 41.7,44.65 40.81,45.54 v1(40.81,45.6)
G5: length 39.9
  TOP w0.165: v1(47.45,31.38) 47.45,30.4 50.79,27.06 P2.47 ; v1(36.21,46.25) 36.21,46.89 36.04,47.07 CN5.20
  L3 w0.165: v1(36.21,46.25) 37.6,46.25 39.47,44.38 40.8,44.38 v1(40.85,44.43)
  Bottom w0.165: v1(47.45,31.38) 48,31.38 48,41.3 47.13,42.17 42.37,42.17 40.88,43.65 40.88,44.39 v1(40.85,44.43)
G6: length 52.7
  TOP w0.165: CN5.19 36.75,49.25 36.75,45.86 36.32,45.44 33.7,45.44 33.4,45.75 v1(32.81,45.75)
  Bottom w0.165: P1.56 10.01,16.9 12.2,19.09 12.2,26.81 20.54,35.16 26.97,35.16 29.75,37.94 U5.97 29.75,41.45 30.55,42.25 30.55,45.88 31.02,46.36 32.2,46.36 v1(32.81,45.75)
G7: length 40
  TOP w0.165: CN5.18 37.44,45.75 36.78,45.09 36.44,45.09 36.44,45.09 36.02,45.09 32.39,45.09 31.9,44.6 30.45,44.6 29.75,45.3 26.5,45.3 25.73,44.53 v1(25.55,44.53)
  Bottom w0.165: v1(25.55,44.53) 25.05,44.53 24.42,45.17 U5.117 21.19,45.17 20.99,44.97 18.14,44.97 16.87,43.7 13.06,43.7 11.92,42.55 11.92,41.22 9.19,38.49 7.6,38.49 P1.39
IM0: length 47.7
  TOP w0.165: v1(14.8,73.3) 14.15,73.3 12.6,71.75 12.6,46.52 13.37,45.75 13.37,43.61 14.05,42.94 v1(14.08,42.94) 18.59,42.94 22.03,46.38 CN5.40
  Bottom w0.165: R35.1 v1(14.8,73.3) R41.2 ; v1(14.08,42.94) 15.26,42.94
IM1: length 45.1
  TOP w0.165: CN5.41 21.34,46.39 19.79,44.84 v1(14.08,44.84) 14.08,45.62 12.95,46.75 12.95,71.65 13.92,72.62 15.32,72.62 v1(16,73.3)
  Bottom w0.165: v1(14.08,44.84) 15.26,44.84 ; R36.1 v1(16,73.3) 15.91,73.3 15.91,73.09 16,73 R42.2
IM2: length 43.3
  TOP w0.165: v1(17.2,73.3) 16.2,72.3 14.11,72.3 13.3,71.5 13.3,47.27 v1(13.82,46.75) 14.58,45.98 20.3,45.98 20.64,46.32 CN5.42
  Bottom w0.165: R37.1 v1(17.2,73.3) R43.2 ; v1(13.82,46.75) 15.26,46.75
IM3: length 42
  TOP w0.165: v1(18.4,73.3) 17.09,71.99 14.24,71.99 13.65,71.4 13.65,48.85 13.95,48.55 v1(13.95,48.52) 13.95,47.72 15.3,46.36 19.62,46.36 19.94,46.69 CN5.43
  Bottom w0.165: v1(13.95,48.52) 13.95,48.65 15.26,48.65 ; R44.2 v1(18.4,73.3) R38.1
LED_STLINK: length 33.8
  TOP w0.165: 11.06,115.36 11.06,113.36 12.82,111.6 24.24,111.6 25.29,110.56 25.29,106.38 28.81,102.85 31.88,102.85 32.3,102.43 32.3,102.06 32.62,101.74 U2.30 ; 11.06,115.36 R2.1 ; 11.06,115.36 R1.1
MCO: length 33.7
  Bottom w0.165: R28.2 31.8,100.12 ; 31.8,100.12 31.77,100.15 C18.2 ; 31.8,100.12 31.8,98.88 34.2,96.48 34.2,68.8
NetB1_2: length 15.1
  TOP w0.165: R23.2 R22.2 C11.1 27.75,86.46 B1.2 B1.3
NetB2_1: length 15.4
  TOP w0.165: 35.75,86.35 R24.1 C12.2 41.15,86.35 ; 41.15,86.35 B2.1 ; 41.15,86.35 41.15,86.03 50.25,86.03 B2.4
NetC3_2: length 2.4
  TOP w0.165: C3.2 41.07,111.93 41.57,111.44 U1.4
NetC5_1: length 6.8
  TOP w0.165: 43.9,107.1 44.35,106.66 44.35,105.8 D3.1 ; 43.9,107.1 C6.2 ; 43.9,107.1 44.01,107.22 C5.1 44.11,109.61 U1.5
NetC11_2: length 1.6
  TOP w0.165: R25.1 C11.2
NetC19_2: length 10.3
  TOP w0.165: U3.14 51.74,73.34 52.1,73.7 54,73.7 54.6,74.3 54.6,77.71 v1(54.31,78) 54.11,78.2 C19.2
  Bottom w0.165: C54.2 53.81,78.5 v1(54.31,78)
NetC20_1: length 10.5
  Bottom w0.165: C20.1 32.5,71.5 X3.2 32.43,67.2 33.07,66.56 34.71,66.56 35.4,65.87 R56.2
NetC21_1: length 9.2
  Bottom w0.165: R57.2 37.2,65.6 38.45,66.85 38.45,70.57 X3.1 37.51,73.15 C21.1
NetC23_1: length 4.8
  TOP w0.165: v1(24.43,71.19) 24.42,71.19 X2.4
  Bottom w0.165: C23.1 24.4,71.19 v1(24.43,71.19) 24.43,70.41 24,69.98 R53.2
